# KiCad board shimarray.kicad_pcb (continued)
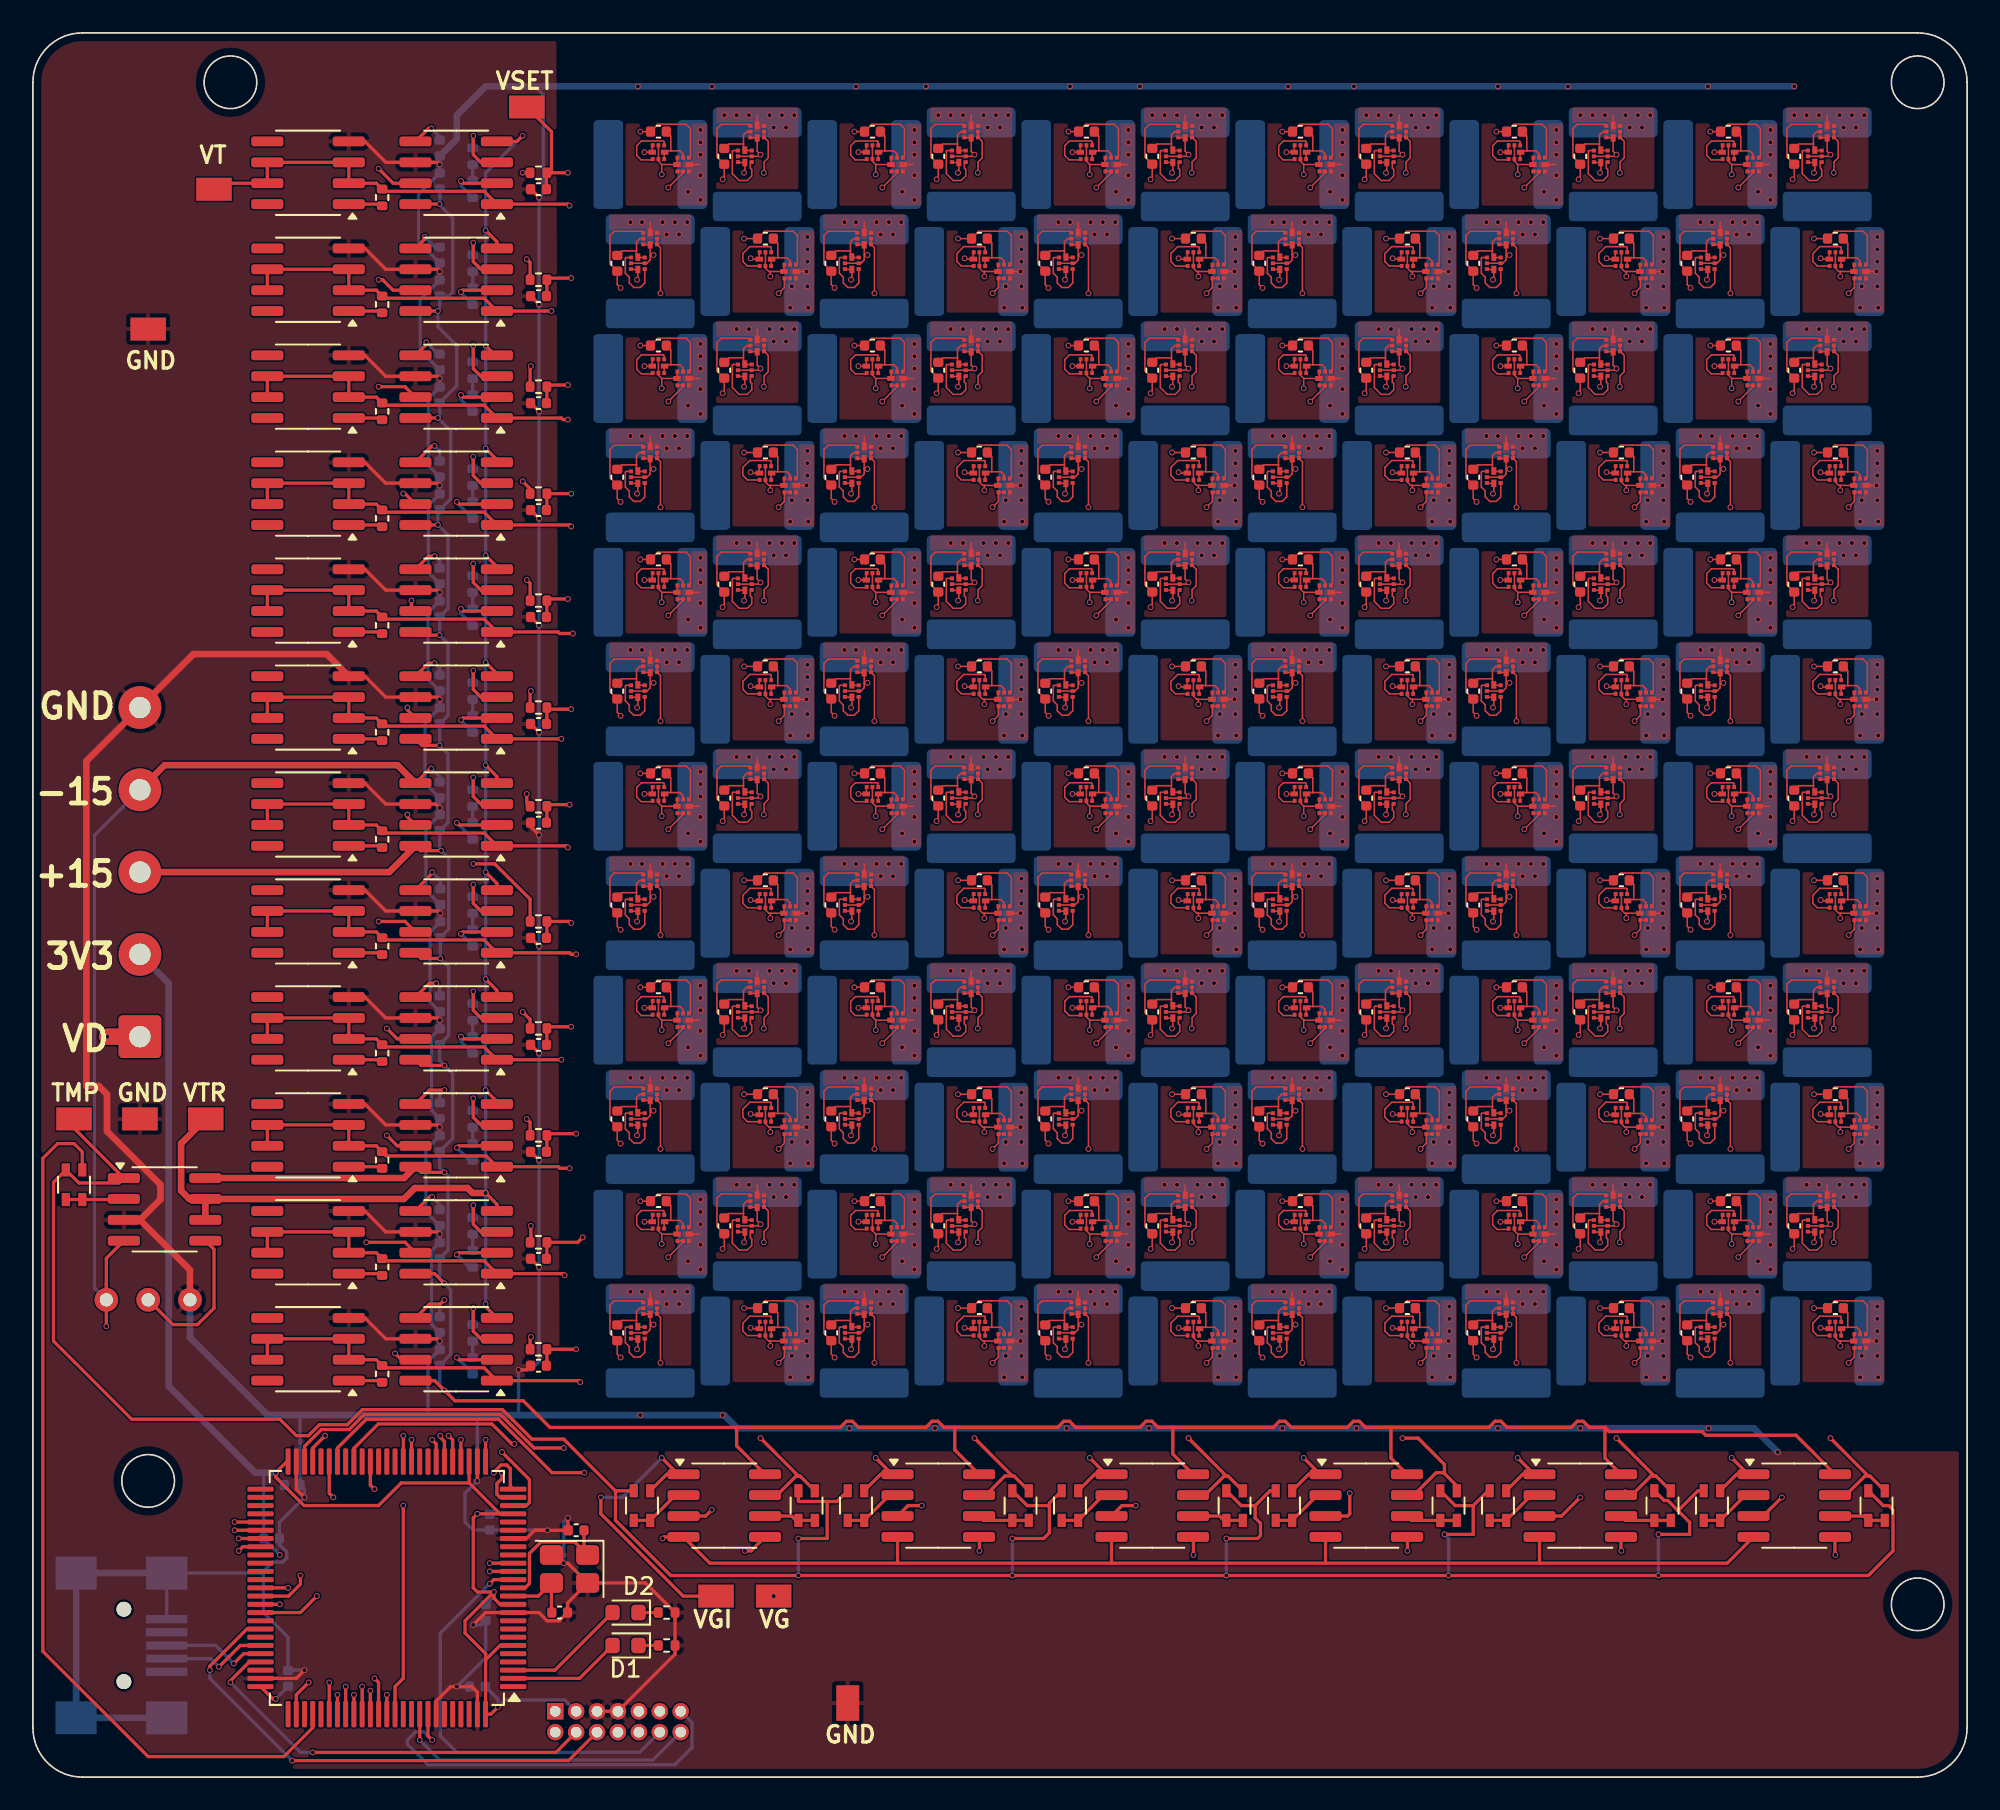
[diagram p0: board, top side]
## Placement (name value [footprint] x y rotation side) (continued)
FB141  FerriteBead  [C_2220_5750Metric]  109 33 270 bottom
FB142  FerriteBead  [C_2220_5750Metric]  109 26.5 180 bottom
FB143  FerriteBead  [C_2220_5750Metric]  102.5 26.5 270 bottom
FB144  FerriteBead  [C_2220_5750Metric]  102.5 33 180 bottom
J2  Conn_02x07_Odd_Even  [PinHeader_2x07_P1.27mm_Vertical]  31.73 4 270 bottom
J3  USB_B_Mini  [USB_Mini-B_Wuerth_65100516121_Horizontal]  5.53 8 90 bottom
J4  Screw_Terminal_01x05  [TerminalBlock_Phoenix_PT-1,5-5-5.0-H_1x05_P5.00mm_Horizontal]  6.5 45 90 bottom
Q1  Q_Dual_NMOS_S1G1S2G2D2D2D1D1  [X2-DFN1010-6]  38 98.75 180 top
Q2  Q_Dual_NMOS_S1G1S2G2D2D2D1D1  [X2-DFN1010-6]  39.5 98 0 top
Q3  Q_Dual_NMOS_S1G1S2G2D2D2D1D1  [X2-DFN1010-6]  43.25 98.5 270 top
Q4  Q_Dual_NMOS_S1G1S2G2D2D2D1D1  [X2-DFN1010-6]  44 100 90 top
Q5  Q_Dual_NMOS_S1G1S2G2D2D2D1D1  [X2-DFN1010-6]  36.75 92 270 top
Q6  Q_Dual_NMOS_S1G1S2G2D2D2D1D1  [X2-DFN1010-6]  37.5 93.5 90 top
Q7  Q_Dual_NMOS_S1G1S2G2D2D2D1D1  [X2-DFN1010-6]  44.5 92.25 180 top
Q8  Q_Dual_NMOS_S1G1S2G2D2D2D1D1  [X2-DFN1010-6]  46 91.5 0 top
Q9  Q_Dual_NMOS_S1G1S2G2D2D2D1D1  [X2-DFN1010-6]  56.25 98.5 270 top
Q10  Q_Dual_NMOS_S1G1S2G2D2D2D1D1  [X2-DFN1010-6]  57 100 90 top
Q11  Q_Dual_NMOS_S1G1S2G2D2D2D1D1  [X2-DFN1010-6]  57.5 92.25 180 top
Q12  Q_Dual_NMOS_S1G1S2G2D2D2D1D1  [X2-DFN1010-6]  59 91.5 0 top
Q13  Q_Dual_NMOS_S1G1S2G2D2D2D1D1  [X2-DFN1010-6]  49.75 92 270 top
Q14  Q_Dual_NMOS_S1G1S2G2D2D2D1D1  [X2-DFN1010-6]  50.5 93.5 90 top
Q15  Q_Dual_NMOS_S1G1S2G2D2D2D1D1  [X2-DFN1010-6]  69.25 98.5 270 top
Q16  Q_Dual_NMOS_S1G1S2G2D2D2D1D1  [X2-DFN1010-6]  70 100 90 top
Q17  Q_Dual_NMOS_S1G1S2G2D2D2D1D1  [X2-DFN1010-6]  70.5 92.25 180 top
Q18  Q_Dual_NMOS_S1G1S2G2D2D2D1D1  [X2-DFN1010-6]  72 91.5 0 top
Q19  Q_Dual_NMOS_S1G1S2G2D2D2D1D1  [X2-DFN1010-6]  62.75 92 270 top
Q20  Q_Dual_NMOS_S1G1S2G2D2D2D1D1  [X2-DFN1010-6]  63.5 93.5 90 top
Q21  Q_Dual_NMOS_S1G1S2G2D2D2D1D1  [X2-DFN1010-6]  64 98.75 180 top
Q22  Q_Dual_NMOS_S1G1S2G2D2D2D1D1  [X2-DFN1010-6]  65.5 98 0 top
Q23  Q_Dual_NMOS_S1G1S2G2D2D2D1D1  [X2-DFN1010-6]  82.25 98.5 270 top
Q24  Q_Dual_NMOS_S1G1S2G2D2D2D1D1  [X2-DFN1010-6]  83 100 90 top
Q25  Q_Dual_NMOS_S1G1S2G2D2D2D1D1  [X2-DFN1010-6]  83.5 92.25 180 top
Q26  Q_Dual_NMOS_S1G1S2G2D2D2D1D1  [X2-DFN1010-6]  85 91.5 0 top
Q27  Q_Dual_NMOS_S1G1S2G2D2D2D1D1  [X2-DFN1010-6]  75.75 92 270 top
Q28  Q_Dual_NMOS_S1G1S2G2D2D2D1D1  [X2-DFN1010-6]  76.5 93.5 90 top
Q29  Q_Dual_NMOS_S1G1S2G2D2D2D1D1  [X2-DFN1010-6]  77 98.75 180 top
Q30  Q_Dual_NMOS_S1G1S2G2D2D2D1D1  [X2-DFN1010-6]  78.5 98 0 top
Q31  Q_Dual_NMOS_S1G1S2G2D2D2D1D1  [X2-DFN1010-6]  95.25 98.5 270 top
Q32  Q_Dual_NMOS_S1G1S2G2D2D2D1D1  [X2-DFN1010-6]  96 100 90 top
Q33  Q_Dual_NMOS_S1G1S2G2D2D2D1D1  [X2-DFN1010-6]  96.5 92.25 180 top
Q34  Q_Dual_NMOS_S1G1S2G2D2D2D1D1  [X2-DFN1010-6]  98 91.5 0 top
Q35  Q_Dual_NMOS_S1G1S2G2D2D2D1D1  [X2-DFN1010-6]  88.75 92 270 top
Q36  Q_Dual_NMOS_S1G1S2G2D2D2D1D1  [X2-DFN1010-6]  89.5 93.5 90 top
Q37  Q_Dual_NMOS_S1G1S2G2D2D2D1D1  [X2-DFN1010-6]  90 98.75 180 top
Q38  Q_Dual_NMOS_S1G1S2G2D2D2D1D1  [X2-DFN1010-6]  91.5 98 0 top
Q39  Q_Dual_NMOS_S1G1S2G2D2D2D1D1  [X2-DFN1010-6]  51 98.75 180 top
Q40  Q_Dual_NMOS_S1G1S2G2D2D2D1D1  [X2-DFN1010-6]  52.5 98 0 top
Q41  Q_Dual_NMOS_S1G1S2G2D2D2D1D1  [X2-DFN1010-6]  108.25 98.5 270 top
Q42  Q_Dual_NMOS_S1G1S2G2D2D2D1D1  [X2-DFN1010-6]  109 100 90 top
Q43  Q_Dual_NMOS_S1G1S2G2D2D2D1D1  [X2-DFN1010-6]  109.5 92.25 180 top
Q44  Q_Dual_NMOS_S1G1S2G2D2D2D1D1  [X2-DFN1010-6]  111 91.5 0 top
Q45  Q_Dual_NMOS_S1G1S2G2D2D2D1D1  [X2-DFN1010-6]  101.75 92 270 top
Q46  Q_Dual_NMOS_S1G1S2G2D2D2D1D1  [X2-DFN1010-6]  102.5 93.5 90 top
Q47  Q_Dual_NMOS_S1G1S2G2D2D2D1D1  [X2-DFN1010-6]  103 98.75 180 top
Q48  Q_Dual_NMOS_S1G1S2G2D2D2D1D1  [X2-DFN1010-6]  104.5 98 0 top
Q49  Q_Dual_NMOS_S1G1S2G2D2D2D1D1  [X2-DFN1010-6]  43.25 85.5 270 top
Q50  Q_Dual_NMOS_S1G1S2G2D2D2D1D1  [X2-DFN1010-6]  44 87 90 top
Q51  Q_Dual_NMOS_S1G1S2G2D2D2D1D1  [X2-DFN1010-6]  44.5 79.25 180 top
Q52  Q_Dual_NMOS_S1G1S2G2D2D2D1D1  [X2-DFN1010-6]  46 78.5 0 top
Q53  Q_Dual_NMOS_S1G1S2G2D2D2D1D1  [X2-DFN1010-6]  36.75 79 270 top
Q54  Q_Dual_NMOS_S1G1S2G2D2D2D1D1  [X2-DFN1010-6]  37.5 80.5 90 top
Q55  Q_Dual_NMOS_S1G1S2G2D2D2D1D1  [X2-DFN1010-6]  38 85.75 180 top
Q56  Q_Dual_NMOS_S1G1S2G2D2D2D1D1  [X2-DFN1010-6]  39.5 85 0 top
Q57  Q_Dual_NMOS_S1G1S2G2D2D2D1D1  [X2-DFN1010-6]  56.25 85.5 270 top
Q58  Q_Dual_NMOS_S1G1S2G2D2D2D1D1  [X2-DFN1010-6]  57 87 90 top
Q59  Q_Dual_NMOS_S1G1S2G2D2D2D1D1  [X2-DFN1010-6]  57.5 79.25 180 top
Q60  Q_Dual_NMOS_S1G1S2G2D2D2D1D1  [X2-DFN1010-6]  59 78.5 0 top
Q61  Q_Dual_NMOS_S1G1S2G2D2D2D1D1  [X2-DFN1010-6]  49.75 79 270 top
Q62  Q_Dual_NMOS_S1G1S2G2D2D2D1D1  [X2-DFN1010-6]  50.5 80.5 90 top
Q63  Q_Dual_NMOS_S1G1S2G2D2D2D1D1  [X2-DFN1010-6]  51 85.75 180 top
Q64  Q_Dual_NMOS_S1G1S2G2D2D2D1D1  [X2-DFN1010-6]  52.5 85 0 top
Q65  Q_Dual_NMOS_S1G1S2G2D2D2D1D1  [X2-DFN1010-6]  69.25 85.5 270 top
Q66  Q_Dual_NMOS_S1G1S2G2D2D2D1D1  [X2-DFN1010-6]  70 87 90 top
Q67  Q_Dual_NMOS_S1G1S2G2D2D2D1D1  [X2-DFN1010-6]  70.5 79.25 180 top
Q68  Q_Dual_NMOS_S1G1S2G2D2D2D1D1  [X2-DFN1010-6]  72 78.5 0 top
Q69  Q_Dual_NMOS_S1G1S2G2D2D2D1D1  [X2-DFN1010-6]  62.75 79 270 top
Q70  Q_Dual_NMOS_S1G1S2G2D2D2D1D1  [X2-DFN1010-6]  63.5 80.5 90 top
Q71  Q_Dual_NMOS_S1G1S2G2D2D2D1D1  [X2-DFN1010-6]  64 85.75 180 top
Q72  Q_Dual_NMOS_S1G1S2G2D2D2D1D1  [X2-DFN1010-6]  65.5 85 0 top
Q73  Q_Dual_NMOS_S1G1S2G2D2D2D1D1  [X2-DFN1010-6]  82.25 85.5 270 top
Q74  Q_Dual_NMOS_S1G1S2G2D2D2D1D1  [X2-DFN1010-6]  83 87 90 top
Q75  Q_Dual_NMOS_S1G1S2G2D2D2D1D1  [X2-DFN1010-6]  83.5 79.25 180 top
Q76  Q_Dual_NMOS_S1G1S2G2D2D2D1D1  [X2-DFN1010-6]  85 78.5 0 top
Q77  Q_Dual_NMOS_S1G1S2G2D2D2D1D1  [X2-DFN1010-6]  75.75 79 270 top
Q78  Q_Dual_NMOS_S1G1S2G2D2D2D1D1  [X2-DFN1010-6]  76.5 80.5 90 top
Q79  Q_Dual_NMOS_S1G1S2G2D2D2D1D1  [X2-DFN1010-6]  77 85.75 180 top
Q80  Q_Dual_NMOS_S1G1S2G2D2D2D1D1  [X2-DFN1010-6]  78.5 85 0 top
Q81  Q_Dual_NMOS_S1G1S2G2D2D2D1D1  [X2-DFN1010-6]  95.25 85.5 270 top
Q82  Q_Dual_NMOS_S1G1S2G2D2D2D1D1  [X2-DFN1010-6]  96 87 90 top
Q83  Q_Dual_NMOS_S1G1S2G2D2D2D1D1  [X2-DFN1010-6]  96.5 79.25 180 top
Q84  Q_Dual_NMOS_S1G1S2G2D2D2D1D1  [X2-DFN1010-6]  98 78.5 0 top
Q85  Q_Dual_NMOS_S1G1S2G2D2D2D1D1  [X2-DFN1010-6]  88.75 79 270 top
Q86  Q_Dual_NMOS_S1G1S2G2D2D2D1D1  [X2-DFN1010-6]  89.5 80.5 90 top
Q87  Q_Dual_NMOS_S1G1S2G2D2D2D1D1  [X2-DFN1010-6]  90 85.75 180 top
Q88  Q_Dual_NMOS_S1G1S2G2D2D2D1D1  [X2-DFN1010-6]  91.5 85 0 top
Q89  Q_Dual_NMOS_S1G1S2G2D2D2D1D1  [X2-DFN1010-6]  108.25 85.5 270 top
Q90  Q_Dual_NMOS_S1G1S2G2D2D2D1D1  [X2-DFN1010-6]  109 87 90 top
Q91  Q_Dual_NMOS_S1G1S2G2D2D2D1D1  [X2-DFN1010-6]  109.5 79.25 180 top
Q92  Q_Dual_NMOS_S1G1S2G2D2D2D1D1  [X2-DFN1010-6]  111 78.5 0 top
Q93  Q_Dual_NMOS_S1G1S2G2D2D2D1D1  [X2-DFN1010-6]  101.75 79 270 top
Q94  Q_Dual_NMOS_S1G1S2G2D2D2D1D1  [X2-DFN1010-6]  102.5 80.5 90 top
Q95  Q_Dual_NMOS_S1G1S2G2D2D2D1D1  [X2-DFN1010-6]  103 85.75 180 top
Q96  Q_Dual_NMOS_S1G1S2G2D2D2D1D1  [X2-DFN1010-6]  104.5 85 0 top
Q97  Q_Dual_NMOS_S1G1S2G2D2D2D1D1  [X2-DFN1010-6]  43.25 72.5 270 top
Q98  Q_Dual_NMOS_S1G1S2G2D2D2D1D1  [X2-DFN1010-6]  44 74 90 top
Q99  Q_Dual_NMOS_S1G1S2G2D2D2D1D1  [X2-DFN1010-6]  44.5 66.25 180 top
Q100  Q_Dual_NMOS_S1G1S2G2D2D2D1D1  [X2-DFN1010-6]  46 65.5 0 top
Q101  Q_Dual_NMOS_S1G1S2G2D2D2D1D1  [X2-DFN1010-6]  36.75 66 270 top
Q102  Q_Dual_NMOS_S1G1S2G2D2D2D1D1  [X2-DFN1010-6]  37.5 67.5 90 top
Q103  Q_Dual_NMOS_S1G1S2G2D2D2D1D1  [X2-DFN1010-6]  38 72.75 180 top
Q104  Q_Dual_NMOS_S1G1S2G2D2D2D1D1  [X2-DFN1010-6]  39.5 72 0 top
Q105  Q_Dual_NMOS_S1G1S2G2D2D2D1D1  [X2-DFN1010-6]  56.25 72.5 270 top
Q106  Q_Dual_NMOS_S1G1S2G2D2D2D1D1  [X2-DFN1010-6]  57 74 90 top
Q107  Q_Dual_NMOS_S1G1S2G2D2D2D1D1  [X2-DFN1010-6]  57.5 66.25 180 top
Q108  Q_Dual_NMOS_S1G1S2G2D2D2D1D1  [X2-DFN1010-6]  59 65.5 0 top
Q109  Q_Dual_NMOS_S1G1S2G2D2D2D1D1  [X2-DFN1010-6]  49.75 66 270 top
Q110  Q_Dual_NMOS_S1G1S2G2D2D2D1D1  [X2-DFN1010-6]  50.5 67.5 90 top
Q111  Q_Dual_NMOS_S1G1S2G2D2D2D1D1  [X2-DFN1010-6]  51 72.75 180 top
Q112  Q_Dual_NMOS_S1G1S2G2D2D2D1D1  [X2-DFN1010-6]  52.5 72 0 top
Q113  Q_Dual_NMOS_S1G1S2G2D2D2D1D1  [X2-DFN1010-6]  69.25 72.5 270 top
Q114  Q_Dual_NMOS_S1G1S2G2D2D2D1D1  [X2-DFN1010-6]  70 74 90 top
Q115  Q_Dual_NMOS_S1G1S2G2D2D2D1D1  [X2-DFN1010-6]  70.5 66.25 180 top
Q116  Q_Dual_NMOS_S1G1S2G2D2D2D1D1  [X2-DFN1010-6]  72 65.5 0 top
Q117  Q_Dual_NMOS_S1G1S2G2D2D2D1D1  [X2-DFN1010-6]  62.75 66 270 top
Q118  Q_Dual_NMOS_S1G1S2G2D2D2D1D1  [X2-DFN1010-6]  63.5 67.5 90 top
Q119  Q_Dual_NMOS_S1G1S2G2D2D2D1D1  [X2-DFN1010-6]  64 72.75 180 top
Q120  Q_Dual_NMOS_S1G1S2G2D2D2D1D1  [X2-DFN1010-6]  65.5 72 0 top
Q121  Q_Dual_NMOS_S1G1S2G2D2D2D1D1  [X2-DFN1010-6]  82.25 72.5 270 top
Q122  Q_Dual_NMOS_S1G1S2G2D2D2D1D1  [X2-DFN1010-6]  83 74 90 top
Q123  Q_Dual_NMOS_S1G1S2G2D2D2D1D1  [X2-DFN1010-6]  83.5 66.25 180 top
Q124  Q_Dual_NMOS_S1G1S2G2D2D2D1D1  [X2-DFN1010-6]  85 65.5 0 top
Q125  Q_Dual_NMOS_S1G1S2G2D2D2D1D1  [X2-DFN1010-6]  75.75 66 270 top
Q126  Q_Dual_NMOS_S1G1S2G2D2D2D1D1  [X2-DFN1010-6]  76.5 67.5 90 top
Q127  Q_Dual_NMOS_S1G1S2G2D2D2D1D1  [X2-DFN1010-6]  77 72.75 180 top
Q128  Q_Dual_NMOS_S1G1S2G2D2D2D1D1  [X2-DFN1010-6]  78.5 72 0 top
Q129  Q_Dual_NMOS_S1G1S2G2D2D2D1D1  [X2-DFN1010-6]  95.25 72.5 270 top
Q130  Q_Dual_NMOS_S1G1S2G2D2D2D1D1  [X2-DFN1010-6]  96 74 90 top
Q131  Q_Dual_NMOS_S1G1S2G2D2D2D1D1  [X2-DFN1010-6]  96.5 66.25 180 top
Q132  Q_Dual_NMOS_S1G1S2G2D2D2D1D1  [X2-DFN1010-6]  98 65.5 0 top
Q133  Q_Dual_NMOS_S1G1S2G2D2D2D1D1  [X2-DFN1010-6]  88.75 66 270 top
Q134  Q_Dual_NMOS_S1G1S2G2D2D2D1D1  [X2-DFN1010-6]  89.5 67.5 90 top
Q135  Q_Dual_NMOS_S1G1S2G2D2D2D1D1  [X2-DFN1010-6]  90 72.75 180 top
Q136  Q_Dual_NMOS_S1G1S2G2D2D2D1D1  [X2-DFN1010-6]  91.5 72 0 top
Q137  Q_Dual_NMOS_S1G1S2G2D2D2D1D1  [X2-DFN1010-6]  108.25 72.5 270 top
Q138  Q_Dual_NMOS_S1G1S2G2D2D2D1D1  [X2-DFN1010-6]  109 74 90 top
Q139  Q_Dual_NMOS_S1G1S2G2D2D2D1D1  [X2-DFN1010-6]  109.5 66.25 180 top
Q140  Q_Dual_NMOS_S1G1S2G2D2D2D1D1  [X2-DFN1010-6]  111 65.5 0 top
Q141  Q_Dual_NMOS_S1G1S2G2D2D2D1D1  [X2-DFN1010-6]  101.75 66 270 top
Q142  Q_Dual_NMOS_S1G1S2G2D2D2D1D1  [X2-DFN1010-6]  102.5 67.5 90 top
Q143  Q_Dual_NMOS_S1G1S2G2D2D2D1D1  [X2-DFN1010-6]  103 72.75 180 top
Q144  Q_Dual_NMOS_S1G1S2G2D2D2D1D1  [X2-DFN1010-6]  104.5 72 0 top
Q145  Q_Dual_NMOS_S1G1S2G2D2D2D1D1  [X2-DFN1010-6]  43.25 59.5 270 top
Q146  Q_Dual_NMOS_S1G1S2G2D2D2D1D1  [X2-DFN1010-6]  44 61 90 top
Q147  Q_Dual_NMOS_S1G1S2G2D2D2D1D1  [X2-DFN1010-6]  44.5 53.25 180 top
Q148  Q_Dual_NMOS_S1G1S2G2D2D2D1D1  [X2-DFN1010-6]  46 52.5 0 top
Q149  Q_Dual_NMOS_S1G1S2G2D2D2D1D1  [X2-DFN1010-6]  36.75 53 270 top
Q150  Q_Dual_NMOS_S1G1S2G2D2D2D1D1  [X2-DFN1010-6]  37.5 54.5 90 top
Q151  Q_Dual_NMOS_S1G1S2G2D2D2D1D1  [X2-DFN1010-6]  38 59.75 180 top
Q152  Q_Dual_NMOS_S1G1S2G2D2D2D1D1  [X2-DFN1010-6]  39.5 59 0 top
Q153  Q_Dual_NMOS_S1G1S2G2D2D2D1D1  [X2-DFN1010-6]  56.25 59.5 270 top
Q154  Q_Dual_NMOS_S1G1S2G2D2D2D1D1  [X2-DFN1010-6]  57 61 90 top
Q155  Q_Dual_NMOS_S1G1S2G2D2D2D1D1  [X2-DFN1010-6]  57.5 53.25 180 top
Q156  Q_Dual_NMOS_S1G1S2G2D2D2D1D1  [X2-DFN1010-6]  59 52.5 0 top
Q157  Q_Dual_NMOS_S1G1S2G2D2D2D1D1  [X2-DFN1010-6]  49.75 53 270 top
Q158  Q_Dual_NMOS_S1G1S2G2D2D2D1D1  [X2-DFN1010-6]  50.5 54.5 90 top
Q159  Q_Dual_NMOS_S1G1S2G2D2D2D1D1  [X2-DFN1010-6]  51 59.75 180 top
Q160  Q_Dual_NMOS_S1G1S2G2D2D2D1D1  [X2-DFN1010-6]  52.5 59 0 top
Q161  Q_Dual_NMOS_S1G1S2G2D2D2D1D1  [X2-DFN1010-6]  69.25 59.5 270 top
Q162  Q_Dual_NMOS_S1G1S2G2D2D2D1D1  [X2-DFN1010-6]  70 61 90 top
Q163  Q_Dual_NMOS_S1G1S2G2D2D2D1D1  [X2-DFN1010-6]  70.5 53.25 180 top
Q164  Q_Dual_NMOS_S1G1S2G2D2D2D1D1  [X2-DFN1010-6]  72 52.5 0 top
Q165  Q_Dual_NMOS_S1G1S2G2D2D2D1D1  [X2-DFN1010-6]  62.75 53 270 top
Q166  Q_Dual_NMOS_S1G1S2G2D2D2D1D1  [X2-DFN1010-6]  63.5 54.5 90 top
Q167  Q_Dual_NMOS_S1G1S2G2D2D2D1D1  [X2-DFN1010-6]  64 59.75 180 top
Q168  Q_Dual_NMOS_S1G1S2G2D2D2D1D1  [X2-DFN1010-6]  65.5 59 0 top
Q169  Q_Dual_NMOS_S1G1S2G2D2D2D1D1  [X2-DFN1010-6]  82.25 59.5 270 top
Q170  Q_Dual_NMOS_S1G1S2G2D2D2D1D1  [X2-DFN1010-6]  83 61 90 top
Q171  Q_Dual_NMOS_S1G1S2G2D2D2D1D1  [X2-DFN1010-6]  83.5 53.25 180 top
Q172  Q_Dual_NMOS_S1G1S2G2D2D2D1D1  [X2-DFN1010-6]  85 52.5 0 top
Q173  Q_Dual_NMOS_S1G1S2G2D2D2D1D1  [X2-DFN1010-6]  75.75 53 270 top
Q174  Q_Dual_NMOS_S1G1S2G2D2D2D1D1  [X2-DFN1010-6]  76.5 54.5 90 top
Q175  Q_Dual_NMOS_S1G1S2G2D2D2D1D1  [X2-DFN1010-6]  77 59.75 180 top
Q176  Q_Dual_NMOS_S1G1S2G2D2D2D1D1  [X2-DFN1010-6]  78.5 59 0 top
Q177  Q_Dual_NMOS_S1G1S2G2D2D2D1D1  [X2-DFN1010-6]  95.25 59.5 270 top
Q178  Q_Dual_NMOS_S1G1S2G2D2D2D1D1  [X2-DFN1010-6]  96 61 90 top
Q179  Q_Dual_NMOS_S1G1S2G2D2D2D1D1  [X2-DFN1010-6]  96.5 53.25 180 top
Q180  Q_Dual_NMOS_S1G1S2G2D2D2D1D1  [X2-DFN1010-6]  98 52.5 0 top
Q181  Q_Dual_NMOS_S1G1S2G2D2D2D1D1  [X2-DFN1010-6]  88.75 53 270 top
Q182  Q_Dual_NMOS_S1G1S2G2D2D2D1D1  [X2-DFN1010-6]  89.5 54.5 90 top
Q183  Q_Dual_NMOS_S1G1S2G2D2D2D1D1  [X2-DFN1010-6]  90 59.75 180 top
Q184  Q_Dual_NMOS_S1G1S2G2D2D2D1D1  [X2-DFN1010-6]  91.5 59 0 top
Q185  Q_Dual_NMOS_S1G1S2G2D2D2D1D1  [X2-DFN1010-6]  108.25 59.5 270 top
Q186  Q_Dual_NMOS_S1G1S2G2D2D2D1D1  [X2-DFN1010-6]  109 61 90 top
Q187  Q_Dual_NMOS_S1G1S2G2D2D2D1D1  [X2-DFN1010-6]  109.5 53.25 180 top
Q188  Q_Dual_NMOS_S1G1S2G2D2D2D1D1  [X2-DFN1010-6]  111 52.5 0 top
Q189  Q_Dual_NMOS_S1G1S2G2D2D2D1D1  [X2-DFN1010-6]  101.75 53 270 top
Q190  Q_Dual_NMOS_S1G1S2G2D2D2D1D1  [X2-DFN1010-6]  102.5 54.5 90 top
Q191  Q_Dual_NMOS_S1G1S2G2D2D2D1D1  [X2-DFN1010-6]  103 59.75 180 top
Q192  Q_Dual_NMOS_S1G1S2G2D2D2D1D1  [X2-DFN1010-6]  104.5 59 0 top
Q193  Q_Dual_NMOS_S1G1S2G2D2D2D1D1  [X2-DFN1010-6]  43.25 46.5 270 top
Q194  Q_Dual_NMOS_S1G1S2G2D2D2D1D1  [X2-DFN1010-6]  44 48 90 top
Q195  Q_Dual_NMOS_S1G1S2G2D2D2D1D1  [X2-DFN1010-6]  44.5 40.25 180 top
Q196  Q_Dual_NMOS_S1G1S2G2D2D2D1D1  [X2-DFN1010-6]  46 39.5 0 top
Q197  Q_Dual_NMOS_S1G1S2G2D2D2D1D1  [X2-DFN1010-6]  36.75 40 270 top
Q198  Q_Dual_NMOS_S1G1S2G2D2D2D1D1  [X2-DFN1010-6]  37.5 41.5 90 top
Q199  Q_Dual_NMOS_S1G1S2G2D2D2D1D1  [X2-DFN1010-6]  38 46.75 180 top
Q200  Q_Dual_NMOS_S1G1S2G2D2D2D1D1  [X2-DFN1010-6]  39.5 46 0 top
Q201  Q_Dual_NMOS_S1G1S2G2D2D2D1D1  [X2-DFN1010-6]  56.25 46.5 270 top
Q202  Q_Dual_NMOS_S1G1S2G2D2D2D1D1  [X2-DFN1010-6]  57 48 90 top
Q203  Q_Dual_NMOS_S1G1S2G2D2D2D1D1  [X2-DFN1010-6]  57.5 40.25 180 top
Q204  Q_Dual_NMOS_S1G1S2G2D2D2D1D1  [X2-DFN1010-6]  59 39.5 0 top
Q205  Q_Dual_NMOS_S1G1S2G2D2D2D1D1  [X2-DFN1010-6]  49.75 40 270 top
Q206  Q_Dual_NMOS_S1G1S2G2D2D2D1D1  [X2-DFN1010-6]  50.5 41.5 90 top
Q207  Q_Dual_NMOS_S1G1S2G2D2D2D1D1  [X2-DFN1010-6]  51 46.75 180 top
Q208  Q_Dual_NMOS_S1G1S2G2D2D2D1D1  [X2-DFN1010-6]  52.5 46 0 top
Q209  Q_Dual_NMOS_S1G1S2G2D2D2D1D1  [X2-DFN1010-6]  69.25 46.5 270 top
Q210  Q_Dual_NMOS_S1G1S2G2D2D2D1D1  [X2-DFN1010-6]  70 48 90 top
Q211  Q_Dual_NMOS_S1G1S2G2D2D2D1D1  [X2-DFN1010-6]  70.5 40.25 180 top
Q212  Q_Dual_NMOS_S1G1S2G2D2D2D1D1  [X2-DFN1010-6]  72 39.5 0 top
Q213  Q_Dual_NMOS_S1G1S2G2D2D2D1D1  [X2-DFN1010-6]  62.75 40 270 top
Q214  Q_Dual_NMOS_S1G1S2G2D2D2D1D1  [X2-DFN1010-6]  63.5 41.5 90 top
Q215  Q_Dual_NMOS_S1G1S2G2D2D2D1D1  [X2-DFN1010-6]  64 46.75 180 top
Q216  Q_Dual_NMOS_S1G1S2G2D2D2D1D1  [X2-DFN1010-6]  65.5 46 0 top
Q217  Q_Dual_NMOS_S1G1S2G2D2D2D1D1  [X2-DFN1010-6]  82.25 46.5 270 top
Q218  Q_Dual_NMOS_S1G1S2G2D2D2D1D1  [X2-DFN1010-6]  83 48 90 top
Q219  Q_Dual_NMOS_S1G1S2G2D2D2D1D1  [X2-DFN1010-6]  83.5 40.25 180 top
Q220  Q_Dual_NMOS_S1G1S2G2D2D2D1D1  [X2-DFN1010-6]  85 39.5 0 top
Q221  Q_Dual_NMOS_S1G1S2G2D2D2D1D1  [X2-DFN1010-6]  75.75 40 270 top
Q222  Q_Dual_NMOS_S1G1S2G2D2D2D1D1  [X2-DFN1010-6]  76.5 41.5 90 top
Q223  Q_Dual_NMOS_S1G1S2G2D2D2D1D1  [X2-DFN1010-6]  77 46.75 180 top
Q224  Q_Dual_NMOS_S1G1S2G2D2D2D1D1  [X2-DFN1010-6]  78.5 46 0 top
Q225  Q_Dual_NMOS_S1G1S2G2D2D2D1D1  [X2-DFN1010-6]  95.25 46.5 270 top
Q226  Q_Dual_NMOS_S1G1S2G2D2D2D1D1  [X2-DFN1010-6]  96 48 90 top
Q227  Q_Dual_NMOS_S1G1S2G2D2D2D1D1  [X2-DFN1010-6]  96.5 40.25 180 top
Q228  Q_Dual_NMOS_S1G1S2G2D2D2D1D1  [X2-DFN1010-6]  98 39.5 0 top
Q229  Q_Dual_NMOS_S1G1S2G2D2D2D1D1  [X2-DFN1010-6]  88.75 40 270 top
Q230  Q_Dual_NMOS_S1G1S2G2D2D2D1D1  [X2-DFN1010-6]  89.5 41.5 90 top
Q231  Q_Dual_NMOS_S1G1S2G2D2D2D1D1  [X2-DFN1010-6]  90 46.75 180 top
Q232  Q_Dual_NMOS_S1G1S2G2D2D2D1D1  [X2-DFN1010-6]  91.5 46 0 top
Q233  Q_Dual_NMOS_S1G1S2G2D2D2D1D1  [X2-DFN1010-6]  108.25 46.5 270 top
Q234  Q_Dual_NMOS_S1G1S2G2D2D2D1D1  [X2-DFN1010-6]  109 48 90 top
Q235  Q_Dual_NMOS_S1G1S2G2D2D2D1D1  [X2-DFN1010-6]  109.5 40.25 180 top
Q236  Q_Dual_NMOS_S1G1S2G2D2D2D1D1  [X2-DFN1010-6]  111 39.5 0 top
Q237  Q_Dual_NMOS_S1G1S2G2D2D2D1D1  [X2-DFN1010-6]  101.75 40 270 top
Q238  Q_Dual_NMOS_S1G1S2G2D2D2D1D1  [X2-DFN1010-6]  102.5 41.5 90 top
Q239  Q_Dual_NMOS_S1G1S2G2D2D2D1D1  [X2-DFN1010-6]  103 46.75 180 top
Q240  Q_Dual_NMOS_S1G1S2G2D2D2D1D1  [X2-DFN1010-6]  104.5 46 0 top
Q241  Q_Dual_NMOS_S1G1S2G2D2D2D1D1  [X2-DFN1010-6]  43.25 33.5 270 top
Q242  Q_Dual_NMOS_S1G1S2G2D2D2D1D1  [X2-DFN1010-6]  44 35 90 top
Q243  Q_Dual_NMOS_S1G1S2G2D2D2D1D1  [X2-DFN1010-6]  44.5 27.25 180 top
Q244  Q_Dual_NMOS_S1G1S2G2D2D2D1D1  [X2-DFN1010-6]  46 26.5 0 top
Q245  Q_Dual_NMOS_S1G1S2G2D2D2D1D1  [X2-DFN1010-6]  36.75 27 270 top
Q246  Q_Dual_NMOS_S1G1S2G2D2D2D1D1  [X2-DFN1010-6]  37.5 28.5 90 top
Q247  Q_Dual_NMOS_S1G1S2G2D2D2D1D1  [X2-DFN1010-6]  38 33.75 180 top
Q248  Q_Dual_NMOS_S1G1S2G2D2D2D1D1  [X2-DFN1010-6]  39.5 33 0 top
Q249  Q_Dual_NMOS_S1G1S2G2D2D2D1D1  [X2-DFN1010-6]  56.25 33.5 270 top
Q250  Q_Dual_NMOS_S1G1S2G2D2D2D1D1  [X2-DFN1010-6]  57 35 90 top
Q251  Q_Dual_NMOS_S1G1S2G2D2D2D1D1  [X2-DFN1010-6]  57.5 27.25 180 top
Q252  Q_Dual_NMOS_S1G1S2G2D2D2D1D1  [X2-DFN1010-6]  59 26.5 0 top
Q253  Q_Dual_NMOS_S1G1S2G2D2D2D1D1  [X2-DFN1010-6]  49.75 27 270 top
Q254  Q_Dual_NMOS_S1G1S2G2D2D2D1D1  [X2-DFN1010-6]  50.5 28.5 90 top
Q255  Q_Dual_NMOS_S1G1S2G2D2D2D1D1  [X2-DFN1010-6]  51 33.75 180 top
Q256  Q_Dual_NMOS_S1G1S2G2D2D2D1D1  [X2-DFN1010-6]  52.5 33 0 top
Q257  Q_Dual_NMOS_S1G1S2G2D2D2D1D1  [X2-DFN1010-6]  69.25 33.5 270 top
Q258  Q_Dual_NMOS_S1G1S2G2D2D2D1D1  [X2-DFN1010-6]  70 35 90 top
Q259  Q_Dual_NMOS_S1G1S2G2D2D2D1D1  [X2-DFN1010-6]  70.5 27.25 180 top
Q260  Q_Dual_NMOS_S1G1S2G2D2D2D1D1  [X2-DFN1010-6]  72 26.5 0 top
Q261  Q_Dual_NMOS_S1G1S2G2D2D2D1D1  [X2-DFN1010-6]  62.75 27 270 top
Q262  Q_Dual_NMOS_S1G1S2G2D2D2D1D1  [X2-DFN1010-6]  63.5 28.5 90 top
Q263  Q_Dual_NMOS_S1G1S2G2D2D2D1D1  [X2-DFN1010-6]  64 33.75 180 top
Q264  Q_Dual_NMOS_S1G1S2G2D2D2D1D1  [X2-DFN1010-6]  65.5 33 0 top
Q265  Q_Dual_NMOS_S1G1S2G2D2D2D1D1  [X2-DFN1010-6]  82.25 33.5 270 top
Q266  Q_Dual_NMOS_S1G1S2G2D2D2D1D1  [X2-DFN1010-6]  83 35 90 top
Q267  Q_Dual_NMOS_S1G1S2G2D2D2D1D1  [X2-DFN1010-6]  83.5 27.25 180 top
Q268  Q_Dual_NMOS_S1G1S2G2D2D2D1D1  [X2-DFN1010-6]  85 26.5 0 top
Q269  Q_Dual_NMOS_S1G1S2G2D2D2D1D1  [X2-DFN1010-6]  75.75 27 270 top
Q270  Q_Dual_NMOS_S1G1S2G2D2D2D1D1  [X2-DFN1010-6]  76.5 28.5 90 top
Q271  Q_Dual_NMOS_S1G1S2G2D2D2D1D1  [X2-DFN1010-6]  77 33.75 180 top
Q272  Q_Dual_NMOS_S1G1S2G2D2D2D1D1  [X2-DFN1010-6]  78.5 33 0 top
Q273  Q_Dual_NMOS_S1G1S2G2D2D2D1D1  [X2-DFN1010-6]  95.25 33.5 270 top
Q274  Q_Dual_NMOS_S1G1S2G2D2D2D1D1  [X2-DFN1010-6]  96 35 90 top
Q275  Q_Dual_NMOS_S1G1S2G2D2D2D1D1  [X2-DFN1010-6]  96.5 27.25 180 top
Q276  Q_Dual_NMOS_S1G1S2G2D2D2D1D1  [X2-DFN1010-6]  98 26.5 0 top
Q277  Q_Dual_NMOS_S1G1S2G2D2D2D1D1  [X2-DFN1010-6]  88.75 27 270 top
Q278  Q_Dual_NMOS_S1G1S2G2D2D2D1D1  [X2-DFN1010-6]  89.5 28.5 90 top
Q279  Q_Dual_NMOS_S1G1S2G2D2D2D1D1  [X2-DFN1010-6]  90 33.75 180 top
Q280  Q_Dual_NMOS_S1G1S2G2D2D2D1D1  [X2-DFN1010-6]  91.5 33 0 top
Q281  Q_Dual_NMOS_S1G1S2G2D2D2D1D1  [X2-DFN1010-6]  108.25 33.5 270 top
Q282  Q_Dual_NMOS_S1G1S2G2D2D2D1D1  [X2-DFN1010-6]  109 35 90 top
Q283  Q_Dual_NMOS_S1G1S2G2D2D2D1D1  [X2-DFN1010-6]  109.5 27.25 180 top
Q284  Q_Dual_NMOS_S1G1S2G2D2D2D1D1  [X2-DFN1010-6]  111 26.5 0 top
Q285  Q_Dual_NMOS_S1G1S2G2D2D2D1D1  [X2-DFN1010-6]  101.75 27 270 top
Q286  Q_Dual_NMOS_S1G1S2G2D2D2D1D1  [X2-DFN1010-6]  102.5 28.5 90 top
Q287  Q_Dual_NMOS_S1G1S2G2D2D2D1D1  [X2-DFN1010-6]  103 33.75 180 top
Q288  Q_Dual_NMOS_S1G1S2G2D2D2D1D1  [X2-DFN1010-6]  104.5 33 0 top
R1  1k  [R_0402_1005Metric]  38.5 8 0 top
R2  1k  [R_0402_1005Metric]  38.5 10 0 top
R3  2k  [R_0402_1005Metric]  30.71 91 0 top
R4  2k  [R_0402_1005Metric]  30.71 97.5 0 top
R5  2k  [R_0402_1005Metric]  30.71 78 0 top
R6  2k  [R_0402_1005Metric]  30.71 84.5 0 top
R7  2k  [R_0402_1005Metric]  30.71 65 0 top
R8  2k  [R_0402_1005Metric]  30.71 71.5 0 top
R9  2k  [R_0402_1005Metric]  30.71 52 0 top
R10  2k  [R_0402_1005Metric]  30.71 59 0 top
R11  2k  [R_0402_1005Metric]  30.71 39 0 top
R12  2k  [R_0402_1005Metric]  30.71 45.5 0 top
R13  2k  [R_0402_1005Metric]  30.71 26 0 top
R14  2k  [R_0402_1005Metric]  30.71 32.5 0 top
R15  5.1k  [R_0402_1005Metric]  26.71 83.5 270 bottom
R16  390  [R_0402_1005Metric]  26.71 85.5 90 bottom
R17  10  [R_0402_1005Metric]  21.21 83 90 top
R18  5.1k  [R_0402_1005Metric]  26.71 77 270 bottom
R19  390  [R_0402_1005Metric]  26.71 79 90 bottom
R20  10  [R_0402_1005Metric]  21.21 76.5 90 top
R21  5.1k  [R_0402_1005Metric]  26.71 70.5 270 bottom
R22  390  [R_0402_1005Metric]  26.71 72.5 90 bottom
R23  10  [R_0402_1005Metric]  21.21 70 90 top
R24  5.1k  [R_0402_1005Metric]  26.71 64 270 bottom
R25  390  [R_0402_1005Metric]  26.71 66 90 bottom
R26  10  [R_0402_1005Metric]  21.21 63.5 90 top
R27  5.1k  [R_0402_1005Metric]  26.71 57.5 270 bottom
R28  390  [R_0402_1005Metric]  26.71 59.5 90 bottom
R29  10  [R_0402_1005Metric]  21.21 57 90 top
R30  5.1k  [R_0402_1005Metric]  26.71 51 270 bottom
R31  390  [R_0402_1005Metric]  26.71 53 90 bottom
R32  10  [R_0402_1005Metric]  21.21 50.5 90 top
R33  5.1k  [R_0402_1005Metric]  26.71 44.5 270 bottom
R34  390  [R_0402_1005Metric]  26.71 46.5 90 bottom
R35  10  [R_0402_1005Metric]  21.21 44 90 top
R36  5.1k  [R_0402_1005Metric]  26.71 38 270 bottom
R37  390  [R_0402_1005Metric]  26.71 40 90 bottom
R38  10  [R_0402_1005Metric]  21.21 37.5 90 top
R39  5.1k  [R_0402_1005Metric]  26.71 31.5 270 bottom
R40  390  [R_0402_1005Metric]  26.71 33.5 90 bottom
R41  10  [R_0402_1005Metric]  21.21 31 90 top
R42  5.1k  [R_0402_1005Metric]  26.71 25 270 bottom
R43  390  [R_0402_1005Metric]  26.71 27 90 bottom
R44  10  [R_0402_1005Metric]  21.21 24.5 90 top
R45  5.1k  [R_0402_1005Metric]  26.71 96.5 270 bottom
R46  390  [R_0402_1005Metric]  26.71 98.5 90 bottom
R47  10  [R_0402_1005Metric]  21.21 96 90 top
R48  5.1k  [R_0402_1005Metric]  26.71 90 270 bottom
R49  390  [R_0402_1005Metric]  26.71 92 90 bottom
R50  10  [R_0402_1005Metric]  21.21 89.5 90 top
RN1  R_Pack02  [R_Array_Convex_2x0603]  2.5 36 90 top
RN2  R_Pack02  [R_Array_Convex_2x0603]  50 16.5 270 top
RN3  R_Pack02  [R_Array_Convex_2x0603]  60 16.5 270 top
RN4  R_Pack02  [R_Array_Convex_2x0603]  63 16.5 270 top
RN5  R_Pack02  [R_Array_Convex_2x0603]  73 16.5 270 top
RN6  R_Pack02  [R_Array_Convex_2x0603]  76 16.5 270 top
RN7  R_Pack02  [R_Array_Convex_2x0603]  86 16.5 270 top
RN8  R_Pack02  [R_Array_Convex_2x0603]  89 16.5 270 top
RN9  R_Pack02  [R_Array_Convex_2x0603]  99 16.5 270 top
RN10  R_Pack02  [R_Array_Convex_2x0603]  102 16.5 270 top
RN11  R_Pack02  [R_Array_Convex_2x0603]  112 16.5 270 top
RN12  R_Pack02  [R_Array_Convex_2x0603]  37 16.5 270 top
RN13  R_Pack02  [R_Array_Convex_2x0603]  47 16.5 270 top
RV1  10k  [Potentiometer_Bourns_3296W_Vertical]  9.54 29 0 bottom
TP1  TestPoint  [Testpoint_RCT_0805]  45 11 0 top
TP2  TestPoint  [Testpoint_RCT_0805]  41.5 11 0 top
TP3  TestPoint  [Testpoint_RCT_0805]  30 101.5 0 top
TP4  TestPoint  [Testpoint_RCT_0805]  11 96.5 0 top
TP5  TestPoint  [Testpoint_RCT_0805]  2.5 40 0 top
TP6  TestPoint  [Testpoint_RCT_0805]  10.5 40 0 top
TP7  TestPoint  [Testpoint_RCT_0805]  6.5 40 0 top
TP8  TestPoint  [Testpoint_RCT_0805]  49.5 4.5 90 top
TP9  TestPoint  [Testpoint_RCT_0805]  7 88 180 top
U1  STM32F103VBTx  [LQFP-100_14x14mm_P0.5mm]  21.5 11.5 180 top
U2  NE5532  [SOIC-8_3.9x4.9mm_P1.27mm]  8 34.5 0 top
U3  NE5532  [SOIC-8_3.9x4.9mm_P1.27mm]  55 16.5 0 top
U4  NE5532  [SOIC-8_3.9x4.9mm_P1.27mm]  68 16.5 0 top
U5  NE5532  [SOIC-8_3.9x4.9mm_P1.27mm]  81 16.5 0 top
U6  NE5532  [SOIC-8_3.9x4.9mm_P1.27mm]  94 16.5 0 top
U7  NE5532  [SOIC-8_3.9x4.9mm_P1.27mm]  107 16.5 0 top
U8  LM334M  [SOIC-8_3.9x4.9mm_P1.27mm]  16.71 84.5 180 top
U9  INA826  [SOIC-8_3.9x4.9mm_P1.27mm]  25.71 84.5 180 top
U10  LM334M  [SOIC-8_3.9x4.9mm_P1.27mm]  16.71 78 180 top
U11  INA826  [SOIC-8_3.9x4.9mm_P1.27mm]  25.71 78 180 top
U12  LM334M  [SOIC-8_3.9x4.9mm_P1.27mm]  16.71 71.5 180 top
U13  INA826  [SOIC-8_3.9x4.9mm_P1.27mm]  25.71 71.5 180 top
U14  LM334M  [SOIC-8_3.9x4.9mm_P1.27mm]  16.71 65 180 top
U15  INA826  [SOIC-8_3.9x4.9mm_P1.27mm]  25.71 65 180 top
U16  LM334M  [SOIC-8_3.9x4.9mm_P1.27mm]  16.71 58.5 180 top
U17  INA826  [SOIC-8_3.9x4.9mm_P1.27mm]  25.71 58.5 180 top
U18  LM334M  [SOIC-8_3.9x4.9mm_P1.27mm]  16.71 52 180 top
U19  INA826  [SOIC-8_3.9x4.9mm_P1.27mm]  25.71 52 180 top
U20  LM334M  [SOIC-8_3.9x4.9mm_P1.27mm]  16.71 45.5 180 top
U21  INA826  [SOIC-8_3.9x4.9mm_P1.27mm]  25.71 45.5 180 top
U22  LM334M  [SOIC-8_3.9x4.9mm_P1.27mm]  16.71 39 180 top
U23  INA826  [SOIC-8_3.9x4.9mm_P1.27mm]  25.71 39 180 top
U24  LM334M  [SOIC-8_3.9x4.9mm_P1.27mm]  16.71 32.5 180 top
U25  INA826  [SOIC-8_3.9x4.9mm_P1.27mm]  25.71 32.5 180 top
U26  LM334M  [SOIC-8_3.9x4.9mm_P1.27mm]  16.71 26 180 top
U27  INA826  [SOIC-8_3.9x4.9mm_P1.27mm]  25.71 26 180 top
U28  NE5532  [SOIC-8_3.9x4.9mm_P1.27mm]  42 16.5 0 top
U29  LM334M  [SOIC-8_3.9x4.9mm_P1.27mm]  16.71 97.5 180 top
U30  INA826  [SOIC-8_3.9x4.9mm_P1.27mm]  25.71 97.5 180 top
U31  LM334M  [SOIC-8_3.9x4.9mm_P1.27mm]  16.71 91 180 top
U32  INA826  [SOIC-8_3.9x4.9mm_P1.27mm]  25.71 91 180 top
Y1  Crystal_GND24_Small  [Crystal_SMD_3225-4Pin_3.2x2.5mm]  32.6 12.65 180 top

## Library data of the parts
C1 C2 = -: Description: Unpolarized capacitor, small symbol; LCSC PN: C32949; ki_fp_filters: C_*
C3-C188 = -: Description: Unpolarized capacitor, small symbol; LCSC PN: C1525; ki_fp_filters: C_*
D1 = -: Description: Light emitting diode, small symbol; Sim.Pin: 1=K 2=A; LCSC PN: C2286; ki_fp_filters: LED* LED_SMD:* LED_THT:*
D2 = -: Description: Light emitting diode, small symbol; Sim.Pin: 1=K 2=A; LCSC PN: C2297; ki_fp_filters: LED* LED_SMD:* LED_THT:*
FB1-FB144 = -: Description: Ferrite bead; LCSC PN: C2442096; ki_fp_filters: Inductor_* L_* *Ferrite*
J2 = -: LCSC PN: C42455940; ki_fp_filters: Connector*:*_2x??_*
J3 = -: Description: USB Mini Type B connector; LCSC PN: C5120592; ki_fp_filters: USB*Mini*B*
J4 = -: Description: Generic screw terminal, single row, 01x05, script generated (kicad-library-utils/schlib/autogen/connector/); ki_fp_filters: TerminalBlock*:*
Q1-Q288 = -: Description: Dual NMOS transistor, 8 pin package; LCSC PN: C552764
R1 R2 = -: Description: Resistor, small symbol; LCSC PN: C11702; ki_fp_filters: R_*
R3-R14 = -: Description: Resistor, small symbol; LCSC PN: C4109; ki_fp_filters: R_*
R15 R18 R21 R24 R27 R30 R33 R36 R39 R42 R45 R48 = -: Description: Resistor, small symbol; LCSC PN: C25905; ki_fp_filters: R_*
R16 R19 R22 R25 R28 R31 R34 R37 R40 R43 R46 R49 = -: Description: Resistor, small symbol; LCSC PN: C25109; ki_fp_filters: R_*
R17 R20 R23 R26 R29 R32 R35 R38 R41 R44 R47 R50 = -: Description: Resistor, small symbol; LCSC PN: C25077; ki_fp_filters: R_*
RN1-RN13 = -: Description: 2 resistor network, parallel topology; LCSC PN: C2654064; ki_fp_filters: DIP* SOIC* R*Array*Concave* R*Array*Convex*
RV1 = -: Description: Trim-potentiometer; ki_fp_filters: Potentiometer*
TP1-TP9 = -: Description: test point; LCSC PN: C172771; ki_fp_filters: Pin* Test*
U1 = -: Datasheet: https://www.st.com/resource/en/datasheet/stm32f103vb.pdf; Description: STMicroelectronics Arm Cortex-M3 MCU, 128KB flash, 20KB RAM, 72 MHz, 2.0-3.6V, 80 GPIO, LQFP100; LCSC PN: C8314; ki_fp_filters: LQFP*14x14mm*P0.5mm*
U2-U7 U28 = -: Datasheet: http://www.ti.com/lit/ds/symlink/ne5532.pdf; Description: Dual Low-Noise Operational Amplifiers, DIP-8/SOIC-8; LCSC PN: C7426; ki_fp_filters: SOIC*3.9x4.9mm*P1.27mm* DIP*W7.62mm* TO*99* OnSemi*Micro8* TSSOP*3x3mm*P0.65mm* TSSOP*4.4x3mm*P0.65mm* MSOP*3x3mm*P0.65mm* SSOP*3.9x4.9mm*P0.635mm* LFCSP*2x2mm*P0.5mm* *SIP* SOIC*5.3x6.2mm*P1.27mm*
U8 U10 U12 U14 U16 U18 U20 U22 U24 U26 U29 U31 = -: Datasheet: http://www.ti.com/lit/ds/symlink/lm134.pdf; Description: 1μA to 10mA 3-Terminal Adjustable Current Source, SO-8; LCSC PN: C7945; ki_fp_filters: SOIC*3.9x4.9m*P1.27mm*
U9 U11 U13 U15 U17 U19 U21 U23 U25 U27 U30 U32 = -: Datasheet: https://www.ti.com/lit/gpn/ina821; Description: 4.7 MHz Bandwidth, Low Offset, Low-Power, Precision Instrumentation Amplifier, G = 1 + 49.4kOhm/Rg, 4.5 V to 36 V Supply, SOIC-8; LCSC PN: C38433; ki_fp_filters: SOIC*3.9x4.9mm*P1.27mm*
Y1 = -: Description: Four pin crystal, GND on pins 2 and 4, small symbol; JLCPCB Part #: C9002; LCSC PN: C9002; ki_fp_filters: Crystal*

## Footprints (pads in the part's own frame, mm; a bottom-side part is the same pattern mirrored in y, then rotated)
C_0402_1005Metric
  rrect 0.56x0.62 smd: 1(-0.48,0) 2(0.48,0)
C_2220_5750Metric
  rrect 1.8x5.4 smd: 1(-2.55,0) 2(2.55,0)
Crystal_SMD_3225-4Pin_3.2x2.5mm
  rrect 1.4x1.2 smd: 1(-1.1,-0.85) 2(1.1,-0.85) 3(1.1,0.85) 4(-1.1,0.85)
LED_0603_1608Metric
  rrect 0.875x0.95 smd: 1(-0.787,0) 2(0.787,0)
LQFP-100_14x14mm_P0.5mm
  rrect 1.6x0.3 smd: 1(-7.675,6) 2(-7.675,5.5) 3(-7.675,5) 4(-7.675,4.5) 5(-7.675,4) 6(-7.675,3.5) 7(-7.675,3) 8(-7.675,2.5) 9(-7.675,2) 10(-7.675,1.5) 11(-7.675,1) 12(-7.675,0.5) 13(-7.675,0) 14(-7.675,-0.5) 15(-7.675,-1) 16(-7.675,-1.5) 17(-7.675,-2) 18(-7.675,-2.5) 19(-7.675,-3) 20(-7.675,-3.5) 21(-7.675,-4) 22(-7.675,-4.5) 23(-7.675,-5) 24(-7.675,-5.5) 25(-7.675,-6) 51(7.675,-6) 52(7.675,-5.5) 53(7.675,-5) 54(7.675,-4.5) 55(7.675,-4) 56(7.675,-3.5) 57(7.675,-3) 58(7.675,-2.5) 59(7.675,-2) 60(7.675,-1.5) 61(7.675,-1) 62(7.675,-0.5) 63(7.675,0) 64(7.675,0.5) 65(7.675,1) 66(7.675,1.5) 67(7.675,2) 68(7.675,2.5) 69(7.675,3) 70(7.675,3.5) 71(7.675,4) 72(7.675,4.5) 73(7.675,5) 74(7.675,5.5) 75(7.675,6)
  rrect 0.3x1.6 smd: 26(-6,-7.675) 27(-5.5,-7.675) 28(-5,-7.675) 29(-4.5,-7.675) 30(-4,-7.675) 31(-3.5,-7.675) 32(-3,-7.675) 33(-2.5,-7.675) 34(-2,-7.675) 35(-1.5,-7.675) 36(-1,-7.675) 37(-0.5,-7.675) 38(0,-7.675) 39(0.5,-7.675) 40(1,-7.675) 41(1.5,-7.675) 42(2,-7.675) 43(2.5,-7.675) 44(3,-7.675) 45(3.5,-7.675) 46(4,-7.675) 47(4.5,-7.675) 48(5,-7.675) 49(5.5,-7.675) 50(6,-7.675) 76(6,7.675) 77(5.5,7.675) 78(5,7.675) 79(4.5,7.675) 80(4,7.675) 81(3.5,7.675) 82(3,7.675) 83(2.5,7.675) 84(2,7.675) 85(1.5,7.675) 86(1,7.675) 87(0.5,7.675) 88(0,7.675) 89(-0.5,7.675) 90(-1,7.675) 91(-1.5,7.675) 92(-2,7.675) 93(-2.5,7.675) 94(-3,7.675) 95(-3.5,7.675) 96(-4,7.675) 97(-4.5,7.675) 98(-5,7.675) 99(-5.5,7.675) 100(-6,7.675)
PinHeader_2x07_P1.27mm_Vertical
  rect 1x1 hole 0.65: 1(0,0)
  round 1 hole 0.65: 2(1.27,0) 3(0,-1.27) 4(1.27,-1.27) 5(0,-2.54) 6(1.27,-2.54) 7(0,-3.81) 8(1.27,-3.81) 9(0,-5.08) 10(1.27,-5.08) 11(0,-6.35) 12(1.27,-6.35) 13(0,-7.62) 14(1.27,-7.62)
Potentiometer_Bourns_3296W_Vertical
  round 1.44 hole 0.8: 1(0,0) 2(-2.54,0) 3(-5.08,0)
R_0402_1005Metric
  rrect 0.54x0.64 smd: 1(-0.51,0) 2(0.51,0)
R_Array_Convex_2x0603
  rect 0.8x0.5 smd: 1(-0.9,0.5) 2(-0.9,-0.5) 3(0.9,-0.5) 4(0.9,0.5)
SOIC-8_3.9x4.9mm_P1.27mm
  rrect 1.95x0.6 smd: 1(-2.475,1.905) 2(-2.475,0.635) 3(-2.475,-0.635) 4(-2.475,-1.905) 5(2.475,-1.905) 6(2.475,-0.635) 7(2.475,0.635) 8(2.475,1.905)
TerminalBlock_Phoenix_PT-1,5-5-5.0-H_1x05_P5.00mm_Horizontal
  rrect 2.6x2.6 hole 1.3: 1(0,0)
  round 2.6 hole 1.3: 2(5,0) 3(10,0) 4(15,0) 5(20,0)
Testpoint_RCT_0805
  rect 2.159x1.397 smd: 1(0,0)
